# KiCad board GNSS_Firehose.kicad_pcb (continued)
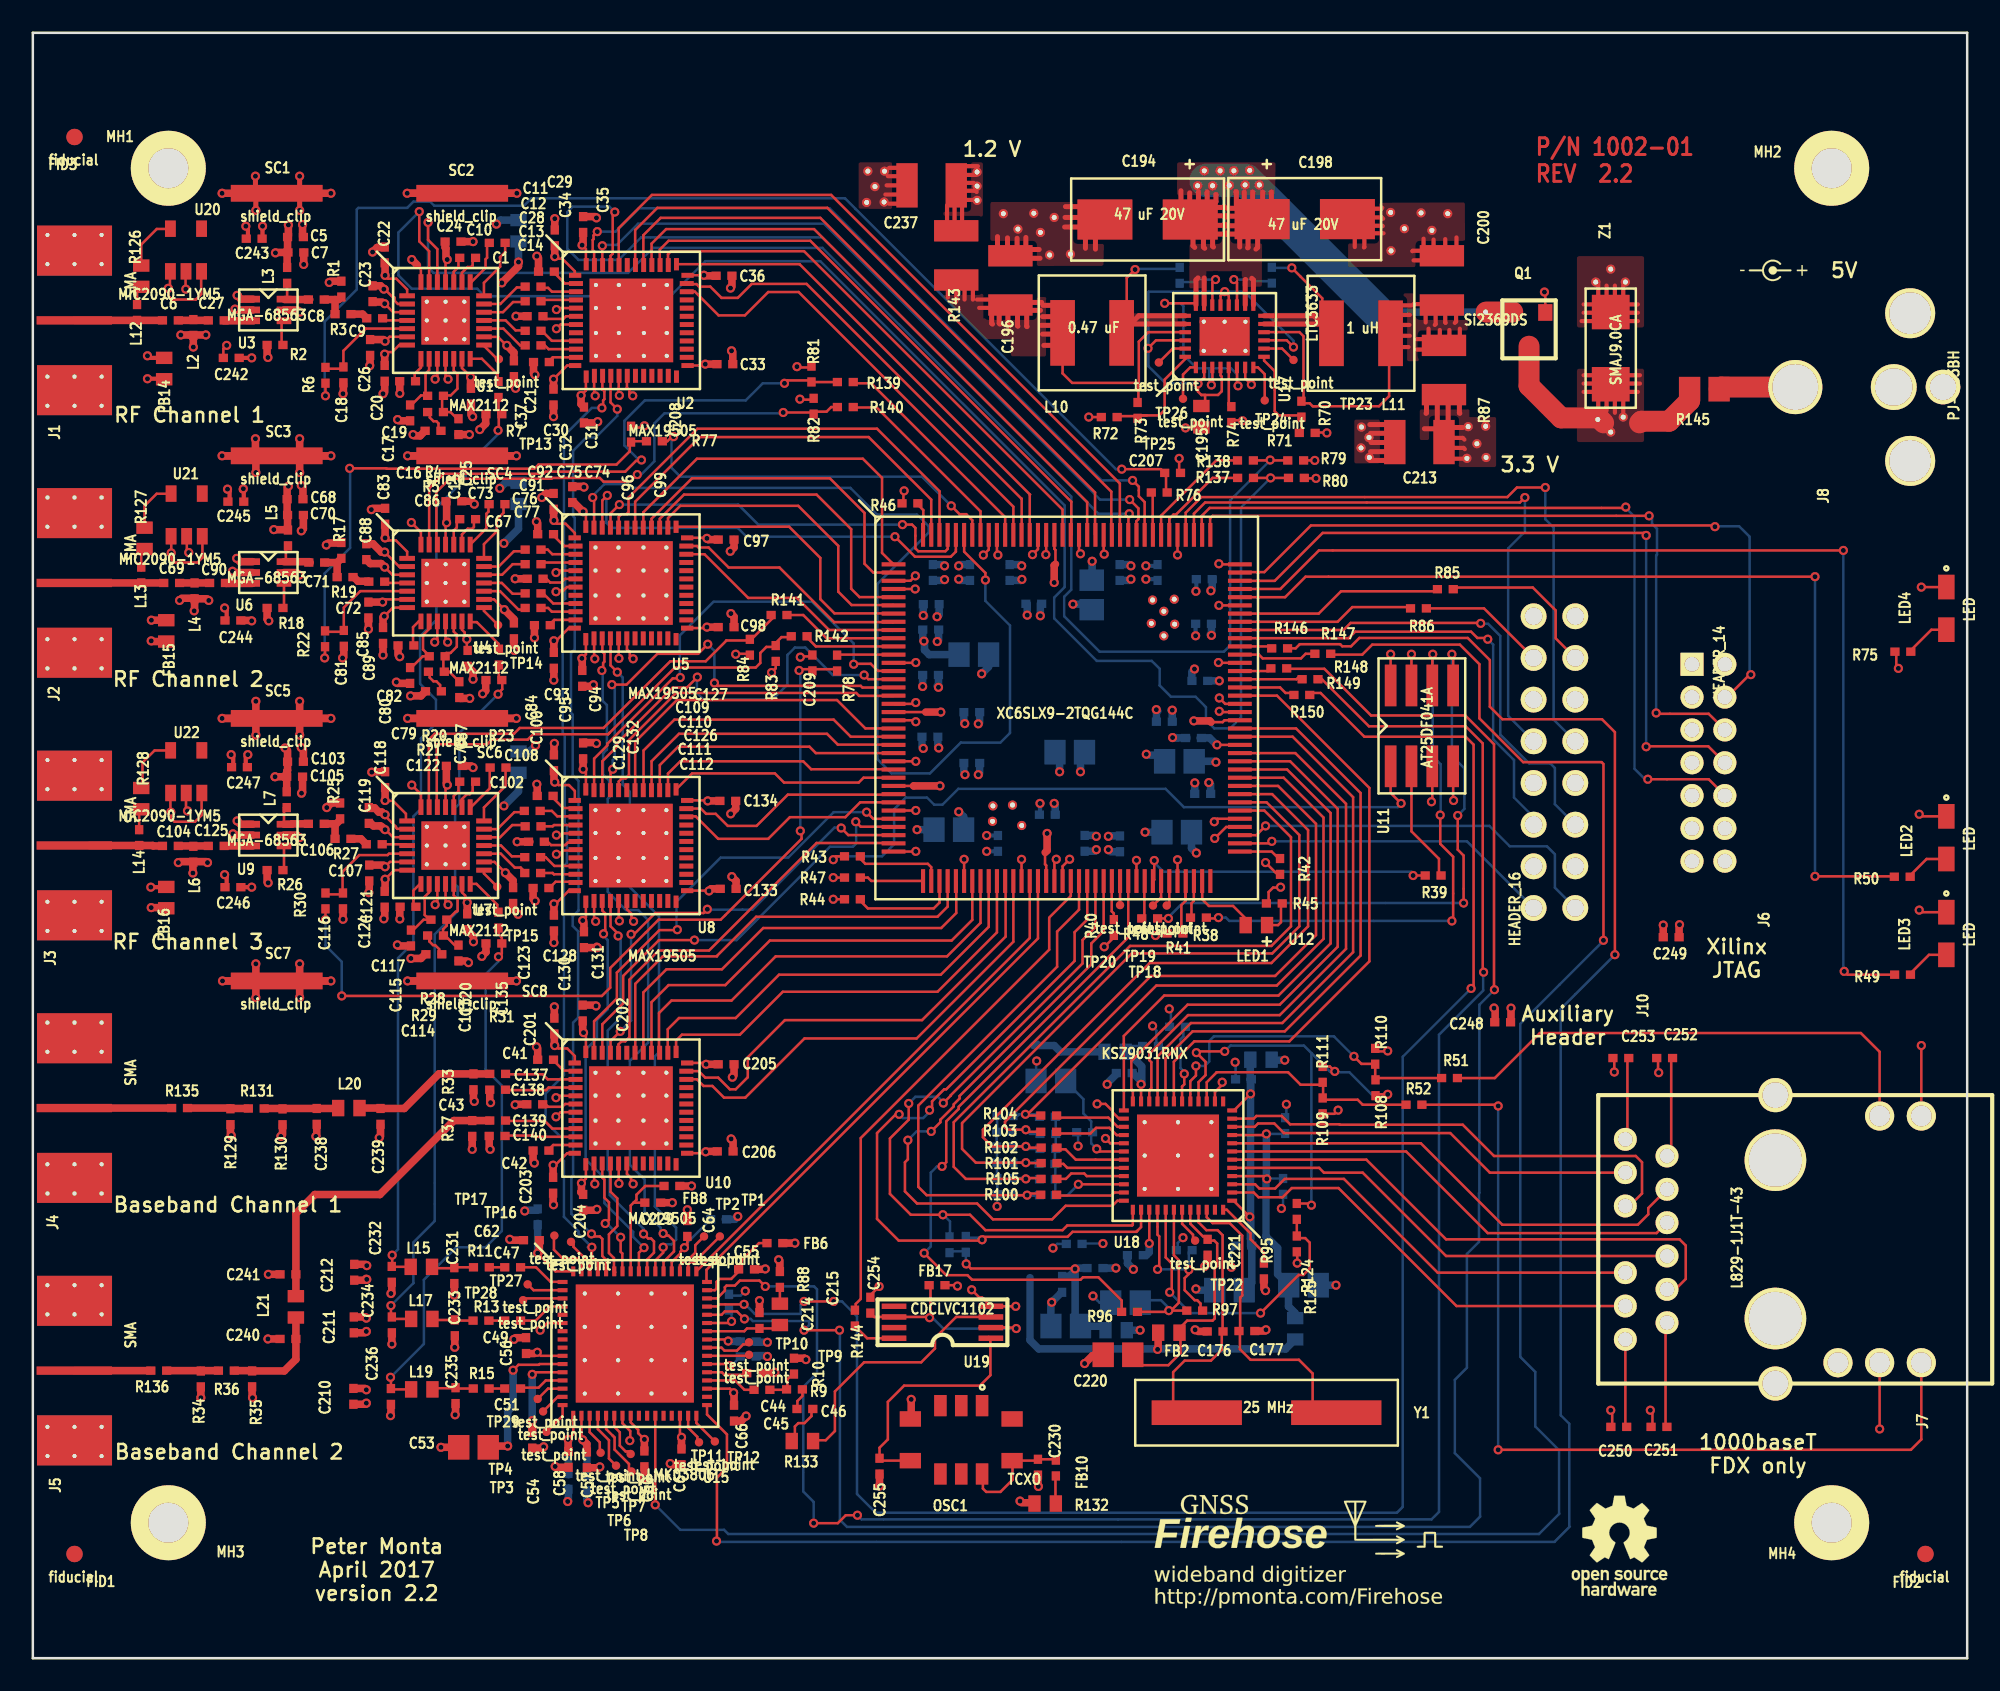
[diagram p0: board, top side]
## Routing (per net, layer and track width the routed paths; a pad name or vN(x,y) marks a point on that pad's centre or on a via; arc(x,y) is an arc through that point) (continued)
/Ethernet/DVDDH: length 63.5
  Top w0.152: v1(79.32,35.76) 79.03,36.06 R111.1 ; v1(56.87,24.03) 57.15,23.75 63.47,23.75 v1(63.5,23.72) ; R124.1 77.8,27.71 v1(77.9,27.61) ; v1(72.62,36.98) 70.97,36.98 v1(70.89,36.91) 71.45,36.35 71.45,35.53 71.02,35.11 U18.16 ; v1(63.7,28.88) 63.71,28.88 66.47,28.88 66.47,28.88 ; v1(68.53,23.7) 68.63,23.8 68.63,25.7 68.52,25.81 U18.40 ; v1(82.55,34.37) 81.81,34.37 ; 71.19,21.18 71.15,21.23 71.15,21.62 70.94,21.82 70.79,21.82 70.18,22.43 70.18,23.16 70.43,23.42 v1(70.43,23.67)
  Bottom w0.152: R112.1 R122.1 62.3,30.1 R114.1 62.27,30.99 R115.1 R116.1 62.33,32.97 R117.1 ; v1(77.9,27.61) 77.9,36.88 ; 77.9,36.88 77.44,37.34 72.97,37.34 v1(72.62,36.98) ; 77.9,36.88 79.02,35.76 v1(79.32,35.76) 79.38,35.71 80.21,35.71 81.56,34.37 v1(82.55,34.37) ; v1(56.87,24.03) 56.85,24.05 R107.1 ; v1(68.53,23.7) 70.41,23.7 v1(70.43,23.67) 70.43,24.75 70.55,24.87 ; v1(63.7,28.88) 63.02,28.19 62.15,28.19 ; 55.85,24.8 56.82,24.8
  Bottom w0.457: R99.2 65.11,20.23 63.84,20.23 ; C222.1 63.14,23.27 63.5,23.62 v1(63.5,23.72) ; v1(63.5,23.72) 63.5,20.57 C225.1 63.58,20.5 ; v1(63.5,23.72) 63.55,23.77 C224.1
/Ethernet/DVDDL: length 25.2
  Top w0.152: v1(72.47,35.1) 72.49,35.08 72.59,35.08 72.02,34.51 U18.14 ; 70.02,33.93 70.02,34.84 70.15,34.98 v1(70.15,35.61) ; 66.47,30.88 64.98,30.88 v1(64.82,31.04) ; 68.02,25.27 v1(68.02,25.28) U18.39 ; 67.56,35.13 67.52,35.09 v1(67.52,34.98) U18.23 ; 66.25,32.88 U18.26 66.18,32.88 65.79,33.27 65.79,33.35 65.35,33.78 v1(64.85,33.78) 64.72,33.78
  Bottom w0.152: v1(70.15,35.61) 70.15,35.74 69.93,35.97 69.93,37.72 70.1,37.9 70.1,38.44 70.14,38.48 ; 62.93,35.15 64.01,34.07 64.01,33.2 64.48,32.72 64.48,32.08 ; 63.85,25.25 63.87,25.27 v1(65.2,25.27) ; 64.48,32.05 64.48,31.38 v1(64.82,31.04) ; 66.55,36.96 66.9,37.31 67.65,37.31
  Bottom w0.457: C184.1 67.03,35.66 67.56,35.13 67.56,36.07 66.68,36.96 66.66,36.96 ; C182.1 67.84,24.56 68.02,24.74 68.02,25.27 v1(68.02,25.28)
GND: length 428
  Top w0.152: v1(23.09,53.21) 23.65,52.66 23.65,51.87 ; 58.38,21.44 v1(59.89,21.44) 59.89,21.44 ; v1(98.55,15.11) 98.68,14.99 98.68,14.1 ; 9.31,84.51 9.31,83.45 v1(9.32,83.44) ; v1(53.77,65.96) 53.47,65.66 U12.3 ; 23.65,67.87 23.65,68.63 v1(23.06,69.22) ; v1(31.9,81.03) 32.16,81.28 33.07,81.28 ; v1(24.51,77.95) 24.65,78.09 24.65,79.19 ; 34.2,62.16 34.2,60.95 v1(34.24,60.91) ; v1(31.9,50.17) 32.16,50.17 32.26,50.27 33.06,50.27 33.07,50.28 ; 21.41,50.5 v1(21.46,50.5) 21.49,50.5 21.95,50.04 22.8,50.04 22.81,50.03 ; v1(73.71,75.41) 73.68,75.44 73,75.44 ; 36.37,60.96 36.53,60.96 v1(36.58,60.91) ; 36.37,60.96 36.37,61.32 36.2,61.49 36.2,62.16 ; 36.37,60.96 36.42,60.91 ; v1(72.24,60.68) 72.26,60.66 U12.96 ; C254.2 51.03,22.12 v1(51.56,22.66) ; 31.75,55.68 31.78,55.7 v1(31.78,55.75) ; 69.85,73.13 v1(69.84,73.12) 69.84,72.24 ; 92.15,82.04 92.15,83.21 v1(92.1,83.26) ; 53.8,54.66 v1(53.8,54.66) U12.25 ; 34.2,78.16 34.2,77 v1(34.26,76.94) ; 22.3,75.41 v1(22.23,75.49) ; v1(99.06,35.69) 99.02,35.72 99.02,36.58 ; 20.68,54.03 v1(20.65,54) ; v1(61.26,10.46) 61.26,10.52 61.24,10.54 ; 20.5,46.69 v1(20.47,46.66) ; 18.95,61.04 v1(18.87,60.96) ; LED3.2 115.06,45.47 v1(114.94,45.59) ; U19.4 57.84,21.98 57.67,21.98 ; v1(35.71,28.93) 35.7,28.94 35.7,30.15 ; v1(34.29,44.91) 34.2,45 34.2,46.16 ; 33.07,34.28 31.99,34.28 v1(31.88,34.16) ; 29.41,33.76 v1(29.39,33.73) ; 30.48,30.25 v1(30.56,30.18) ; 23.65,83.87 23.65,84.69 v1(23.09,85.24) ; 75.06,19.94 v1(75.13,20.02) ; 15.21,31.9 v1(15.11,31.8) ; 33.07,82.28 31.99,82.28 v1(31.9,82.19) ; 20.27,23.04 20.29,23.04 v1(20.35,23.09) ; 26.8,86.33 26.82,86.31 ; v1(12.32,82.22) 12.34,82.22 12.4,82.17 ; v1(35.71,60.93) 35.7,60.95 35.7,62.16 ; 21.18,31.8 v1(21.11,31.72) ; 42.67,31.53 v1(42.55,31.65) ; v1(63.17,48.69) 62.74,48.26 U12.54 ; 22.25,61.14 v1(22.35,61.04) ; v1(53.8,60.68) 53.78,60.66 U12.13 ; 69.75,48.67 v1(69.74,48.66) U12.68 ; v1(25.3,45.92) 25.15,46.08 25.15,47.19 ; LED2.2 115.06,51.31 v1(114.94,51.44) ; U12.136 58.24,67.56 v1(57.91,67.23) ; v1(31.9,49) 32.08,49 32.31,49.23 33.02,49.23 33.07,49.28 ; v1(36.58,28.91) 36.45,29.03 36.45,29.26 36.2,29.51 36.2,30.15 ; 70.31,74.98 70.34,75.02 C195.2 ; 33.07,65.28 32.54,65.28 32.33,65.07 31.95,65.07 v1(31.88,65) ; 30.76,69.19 v1(30.68,69.27) ; v1(70.82,20.02) 70.89,20.02 70.99,19.91 ; 9.38,68.37 9.38,67.5 v1(9.5,67.39) ; 34.26,39.8 v1(34.32,39.75) ; v1(65.35,31.67) 65.65,31.38 U18.29 ; 29.31,61.44 v1(29.34,61.42) ; 60.25,48.69 v1(60.24,48.68) U12.49 ; 38.91,11.79 v1(38.84,11.86) ; 73.87,78.67 73.87,78 v1(74.24,77.62) ; 10.59,48.55 v1(10.64,48.49) ; v1(86.56,52.27) 86.54,52.3 U11.4 ; 29.11,25.48 v1(29.06,25.53) ; 42.56,67.53 v1(42.49,67.46) ; 33.07,33.28 32.16,33.28 v1(31.88,32.99) ; 34.29,55.8 v1(34.34,55.75) ; 26.85,33.99 v1(26.9,33.93) ; 26.44,42.49 v1(26.54,42.39) ; v1(36.55,76.94) 36.45,76.94 36.35,77.04 36.35,77.29 36.2,77.44 36.2,78.16 ; v1(31.88,66.17) 31.99,66.28 33.07,66.28 ; 36.45,75 37.15,75 v1(37.26,75.11) ; 22.81,82.03 21.95,82.03 v1(21.44,82.55) 21.39,82.55 21.29,82.65 ; 75.99,47.85 75.74,47.85 v1(75.11,48.49) ; v1(24.49,61.93) 24.65,62.09 24.65,63.19 ; 12.24,66.17 v1(12.17,66.24) ; 9.86,63.86 v1(9.83,63.83) ; v1(36.6,44.91) 36.47,45.03 36.47,45.36 36.2,45.64 36.2,46.16 ; 18.14,83.92 v1(18.06,83.85) ; 20.55,78.79 v1(20.52,78.77) ; 34.2,30.15 34.2,28.95 v1(34.24,28.91) ; U15.6 31.35,20.43 v1(30.91,19.99) ; 8.92,48.55 v1(8.86,48.49) ; 61.21,68.49 U12.130 61.24,67.59 v1(60.91,67.26) ; 26.7,75.77 v1(26.8,75.67) ; 26.72,54.38 v1(26.82,54.28) ; 65.86,44.11 65.86,43.92 65.38,43.44 65.36,43.44 v1(65.28,43.36) ; v1(82.55,37.01) 82.52,36.98 81.79,36.98 ; 27.84,33.91 v1(27.89,33.86) ; 29.41,19.53 v1(29.31,19.43) ; 9.07,64.6 v1(8.94,64.47) ; 27.81,31.07 v1(27.86,31.01) ; 89.1,39.55 v1(89.03,39.62) ; 16.1,50.17 v1(16.26,50.01) ; 16.13,82.17 v1(16.26,82.04) ; 34.26,87.86 v1(34.34,87.78) ; 29.18,78.31 29.36,78.13 ; v1(35.74,44.93) 35.7,44.97 35.7,46.16 ; 10.62,64.57 v1(10.72,64.47) ; 57.67,21.98 v1(57.2,22.45) ; R109.2 79.31,33.18 v1(79.53,33.4) 79.52,33.39 ; 78.05,74.7 78.71,74.7 ; 35.93,14.78 35.93,14.31 36.4,13.84 36.4,13.28 v1(36.37,13.26) ; U12.77 72.17,51.16 v1(71.98,50.98) ; 45.16,17.37 v1(45.21,17.42) ; 30.81,85.34 v1(30.71,85.45) ; 29.31,77.5 v1(29.41,77.39) ; 30.73,53.24 v1(30.71,53.26) ; 24.65,47.19 24.65,46.06 v1(24.51,45.92) ; 64.52,75.67 64.54,75.64 65.18,75.64 ; 31.7,27.66 v1(31.72,27.64) ; 53.04,70.38 53.04,71.1 v1(53.09,71.15) ; 75.01,22.5 v1(75.11,22.4) ; 34.34,75.29 v1(34.42,75.36) ; v1(21.44,66.5) 21.9,66.03 22.81,66.03 ; 16.08,66.17 v1(16.23,66.01) ; 12.27,50.17 v1(12.19,50.24) ; 42.6,83.59 v1(42.51,83.5) ; 96.39,35.69 v1(96.36,35.72) 96.36,36.58 ; v1(11.81,80.01) 11.61,79.81 C242.2 ; v1(46.76,61.01) 46.81,61.06 47.5,61.06 ; 13.36,15.9 v1(13.39,15.88) ; 42.72,35.51 v1(42.62,35.41) ; v1(25.3,77.95) 25.15,78.11 25.15,79.19 ; 21.44,77.17 v1(21.34,77.06) ; 33.53,71.42 v1(33.58,71.37) ; 77.04,24.79 v1(77.04,24.08) ; 45.52,24.21 v1(45.44,24.28) ; 96.23,14.1 96.23,15.02 v1(96.14,15.11) ; 69.75,67.23 v1(69.74,67.24) U12.113 ; 20.7,70.08 v1(20.62,70) ; v1(25.27,61.93) 25.15,62.05 25.15,63.19 ; 18,67.96 v1(17.88,67.84) ; 16.46,71.37 v1(16.36,71.48) ; 9.33,52.72 9.33,51.73 v1(9.42,51.64) ; 12.04,31.9 v1(12.09,31.85) ; v1(35.74,76.96) 35.7,77 35.7,78.16 ; 17.3,31.85 v1(17.25,31.8) ; 21.44,45.11 v1(21.39,45.06) ; 42.65,79.6 v1(42.57,79.68) ; U12.108 72.3,66.66 v1(72.26,66.7) ; 30.76,37.19 v1(30.68,37.26) ; U12.91 72.65,58.16 v1(72.29,58.52) ; 116.59,65.28 v1(115.06,65.28) ; 18.92,77.09 v1(18.9,77.06) ; 23.24,74.5 v1(23.16,74.57)
  Top w0.254: 95.38,82.76 95.38,83.91 ; v1(12.08,55.07) 12.21,54.94 12.21,54.31 ; v1(12.98,87.27) 13.11,87.15 13.11,86.51 ; 95.38,82 94.49,82 ; 11.99,70.49 11.99,71.12 v1(11.86,71.25) ; 86.06,86.49 86.06,85.75 86.08,85.73 ; 96.9,81.49 97.79,81.49 ; 96.9,82.76 96.9,83.65 ; 52.02,89.76 52.83,89.76 52.88,89.81 ; 82.27,87.73 82.19,87.81 81.51,87.81 ; 52.17,88.65 53.04,88.65 53.11,88.72 ; 95.88,82.76 95.88,83.65 ; 96.9,82 97.79,82 ; 81.58,88.34 82.17,88.34 82.22,88.39 ; 96.39,82.76 96.39,83.65 ; 84.05,85.75 84.07,85.78 84.91,85.78 ; 84.81,85.8 84.73,85.88 84.73,86.51 ; 51.94,89.2 52.98,89.2 53.04,89.26 ; 52.17,90.83 52.91,90.83 52.93,90.86 ; v1(11.68,47.75) 11.81,47.63 11.81,46.99 ; 81.1,85.98 81.13,86 81.13,86.66 ; 82.25,87.27 82.22,87.3 81.46,87.3 ; v1(11.68,64.01) 11.81,63.88 11.81,63.25 ; 84.86,85.19 84.12,85.19 ; 96.9,82.51 97.79,82.51 ; 52.1,90.32 52.93,90.32 ; 86.74,86.59 86.74,85.73 ; 95.38,81.49 94.36,81.49 ; 85.37,85.78 85.34,85.8 85.34,86.46 ; 80.54,86.66 80.54,86 ; 81.38,86.84 82.3,86.84 ; 95.38,82.51 94.49,82.51
  Top w0.305: SC1.1 13.56,89.28 v1(13.56,90.32) ; SC1.1 13.59,89.28 v1(13.59,88.24) ; SC1.1 16.26,89.28 ; SC1.1 16.26,89.28 ; 16.26,89.28 v1(16.26,88.24) ; 16.26,89.28 v1(16.26,90.32) ; 81.53,74.09 83.21,74.09 ; 64.74,85.88 64.74,86.59 ; 58.9,85.83 58.78,85.95 58.78,86.64 ; 61.32,85.85 60.58,85.85 60.55,85.83 ; 60.5,86.59 60.5,85.9 60.55,85.85 ; 62.87,87.22 63.8,87.22 ; 64.13,85.93 64.13,86.61 ; 59.92,85.78 59.97,85.83 59.97,86.54 ; 81.46,75.18 83.26,75.18 ; 81.51,74.65 83.24,74.65 ; 60.63,85.29 60.66,85.32 61.37,85.32 ; 59.39,86.56 59.39,85.83 59.31,85.75 ; 62.92,88.47 63.93,88.47 ; 81.51,73.53 83.16,73.53 ; 62.89,87.81 63.75,87.81 ; 81.46,73 83.31,73
  Top w0.457: SC3.1 13.56,73.28 v1(13.56,74.32) 13.59,74.3 ; SC3.1 13.59,73.28 v1(13.59,72.26) ; SC3.1 16.26,73.28 ; SC3.1 16.26,73.28 ; SC3.1 v1(18.16,73.28) 17.27,73.28 ; SC3.1 v1(11.53,73.28) 12.95,73.28 ; 16.26,73.28 v1(16.26,72.26) ; 16.26,73.28 v1(16.26,74.32) ; SC5.1 13.59,57.28 v1(13.59,58.32) ; SC5.1 13.59,57.3 v1(13.59,56.26) ; SC5.1 16.26,57.28 ; SC5.1 16.23,57.25 16.26,57.28 ; SC5.1 14.63,57.28 ; SC5.1 14.61,57.28 ; SC5.1 v1(11.53,57.28) 12.95,57.28 ; SC5.1 15.21,57.28 ; SC5.1 v1(18.16,57.28) 17.27,57.28 ; SC5.1 15.24,57.28 ; 16.26,57.28 v1(16.26,56.26) ; 16.26,57.28 v1(16.26,58.32) ; 16.26,41.28 SC7.1 ; 16.26,41.28 SC7.1 ; 16.26,41.28 v1(16.26,42.32) ; 16.26,41.28 v1(16.26,40.26) ; SC7.1 13.59,41.28 ; SC7.1 13.59,41.28 ; SC7.1 15.21,41.28 ; SC7.1 v1(18.16,41.28) 17.27,41.28 ; SC7.1 15.24,41.28 ; SC7.1 14.61,41.28 ; SC7.1 14.63,41.28 ; SC7.1 v1(11.56,41.28) 12.95,41.28 ; 13.59,41.28 v1(13.59,40.26) ; 13.59,41.28 v1(13.59,42.32) ; v1(34.37,27.36) 34.31,27.3 C204.2 ; C138.1 27.84,33.91 ; v1(44.63,23.72) 44.6,23.7 43.94,23.7 ; v1(23.04,42.65) 23.65,42.65 23.9,42.9 23.96,42.9 ; 26.85,86.31 v1(26.82,86.33) C24.2 ; 21.31,50.65 v1(21.46,50.5) ; 26.47,44.37 26.85,43.99 v1(26.85,43.66) ; C84.2 29.31,61.44 ; C233.2 25.71,18.96 v1(25.7,18.95) 25.7,18.97 ; 20.29,15.56 20.32,15.53 ; 20.32,15.53 20.34,15.51 ; 20.32,15.53 v1(20.32,15.54) 20.25,15.48 C210.2 ; 22.33,61.06 v1(22.35,61.04) ; C64.2 v1(39.88,27.33) ; R1.2 18.14,83.92 ; 18.19,89.28 SC1.1 v1(11.53,89.28) ; 25.98,58.55 26.03,58.5 v1(26.62,58.5) ; C134.2 42.82,51.77 v1(42.52,51.46) 42.56,51.5 ; C122.2 26.72,54.38 ; 27.59,59.61 27.59,58.96 v1(27.41,58.78) ; C234.2 v1(21.88,19.15) 21.89,19.13 ; 21.44,85.98 20.98,85.98 v1(20.7,85.7) ; C60.2 37.26,11 v1(37.24,10.97) ; C53.2 v1(24.87,12.85) 24.84,12.88 ; 20.29,23.15 v1(20.35,23.09) ; 9.8,80.65 L2.2 v1(9.78,79.91) ; v1(31.12,12.88) 31.04,12.8 C54.2 ; v1(10.54,80.65) 9.53,80.65 ; 23.24,74.5 23.6,74.5 C16.2 23.91,74.8 ; v1(16.36,68.71) 16.48,68.83 C70.2 ; C116.2 v1(18.9,45.03) ; v1(64.08,17.96) 64.57,18.44 65.15,18.44 ; C43.2 29.41,33.76 ; C29.2 30.81,85.34 ; C113.2 26.44,42.49 ; R129.2 12.04,31.9 ; C41.2 30.76,37.19 ; C66.2 43.15,14.45 v1(43.46,14.76) 43.45,14.76 ; 61.24,11.19 61.24,10.54 ; 99.31,44.7 v1(99.34,44.68) C249.2 ; v1(16.36,55.5) 16.48,55.37 C103.2 ; 22.38,77.06 v1(22.36,77.08) 22.36,77.83 ; 25.73,14.86 v1(25.73,14.83) 25.76,14.86 C235.2 ; 31.78,87.76 v1(31.8,87.73) C34.2 ; v1(16.43,87.38) 16.43,86.65 ; 34.36,43.39 34.42,43.33 v1(34.39,43.31) C131.2 ; C88.2 20.56,66.71 21.22,66.71 v1(21.44,66.5) ; C31.2 34.34,75.29 ; 22.38,45.03 v1(22.36,45.05) 22.36,45.8 ; C97.2 42.72,67.69 v1(42.49,67.46) ; C80.2 22.23,59.41 v1(22.15,59.49) ; 21.44,77.85 21.44,77.17 ; v1(20.32,20.73) 20.25,20.8 C211.2 ; 29.36,65.76 v1(29.39,65.79) C91.2 ; 34.57,11.66 v1(34.54,11.66) 34.49,11.61 C57.2 ; v1(29.57,45.34) 29.26,45.64 C123.2 ; v1(17.91,51.84) 18.19,52.12 R25.2 ; C61.2 38.91,11.79 ; v1(26.9,70.33) 26.72,70.51 C86.2 ; 21.84,22.25 v1(21.82,22.23) 21.87,22.28 C232.2 ; C119.2 20.6,50.88 20.75,50.72 21.18,50.72 21.41,50.5 ; C239.2 21.18,31.8 ; C28.2 v1(29.44,81.79) ; C105.2 16.43,52.78 v1(16.37,52.72) ; C128.2 30.48,46.28 v1(30.61,46.15) ; v1(27.23,74.88) 27.59,75.24 27.59,75.82 ; C17.2 22.3,75.41 ; C95.2 v1(31.74,59.61) 31.72,59.59 ; v1(27.36,42.77) 27.61,43.03 R31.2 ; C56.2 29.41,19.53 ; v1(22.21,43.47) 22.28,43.41 C115.2 ; C36.2 42.6,83.59 ; C212.2 20.27,23.04 20.33,23.1 ; 28.7,73.28 29.34,73.28 SC4.1 22.99,73.28 23.75,73.28 ; C236.2 21.82,14.81 v1(21.79,14.78) ; 20.63,70 v1(20.62,70) ; C176.2 70.99,19.91 ; v1(71.4,23.88) 71.58,24.05 C221.2 ; U3.5 16.13,82.17 ; C129.2 31.75,55.68 ; v1(9.75,47.85) 9.75,48.52 9.78,48.55 ; C58.2 31.88,11.63 ; R34.2 v1(10.24,15.88) ; C89.2 v1(21.34,61.14) ; 30.56,62.18 v1(30.56,62.19) C93.2 ; v1(53.52,15.77) 53.52,14.61 53.49,14.58 ; v1(9.02,80.65) 9.67,80.65 ; C30.2 30.51,78.31 v1(30.59,78.22) ; v1(42.59,47.63) 42.57,47.65 ; U9.5 16.1,50.17 ; 47.12,18.21 v1(47.1,18.2) 47.02,18.28 R10.2 ; U6.5 16.08,66.17 ; C44.1 45.16,17.37 ; U3.1 12.67,82.83 v1(12.45,83.06) 12.51,83.06 ; 42.56,79.67 v1(42.57,79.68) ; U6.2 12.24,66.17 ; C96.2 31.26,70.99 v1(31.01,70.74) ; v1(23.09,85.24) 23.43,84.9 ; L4.2 10.62,64.57 ; C177.2 75.06,19.94 ; 34.33,87.78 v1(34.34,87.78) ; C240.2 v1(14.33,19.46) ; 27.81,89.28 v1(29.49,89.28) SC2.1 v1(22.81,89.28) 24.38,89.28 ; 23.75,57.28 v1(22.83,57.28) SC6.1 v1(29.46,57.28) 28.58,57.28 ; C92.2 30.76,69.19 ; R35.2 13.36,15.9 ; C202.2 34.26,39.8 ; 23.75,41.28 v1(22.83,41.28) SC8.1 v1(29.46,41.28) 28.45,41.28 ; C85.2 v1(20.45,62.71) ; 31.72,43.59 v1(31.75,43.61) C130.2 ; 18.67,67.96 18,67.96 ; C82.2 22.25,61.14 ; C79.2 23.65,58.65 v1(23.01,58.65) 23.04,58.62 ; 25.91,74.57 v1(26.6,74.57) ; 26.7,76.38 26.7,75.77 ; R130.2 15.21,31.9 ; C238.2 17.3,31.85 ; 9.75,48.55 10.59,48.55 ; C21.2 29.31,77.5 ; 42.56,63.63 42.55,63.65 ; v1(34.16,59.33) 34.06,59.23 C94.2 ; C229.2 v1(38.96,27.76) ; 42.51,83.5 42.52,83.49 ; v1(13.59,88.24) 13.59,88.27 ; C127.2 30.73,53.24 ; C133.2 42.85,47.37 42.6,47.63 ; R88.2 45.52,24.21 ; U3.2 12.4,82.17 ; C81.2 18.95,61.04 ; C118.2 20.68,54.03 ; C62.2 29.11,25.48 ; C121.2 20.5,46.69 ; C26.2 20.55,78.79 ; 89.1,38.84 89.1,39.55 ; 34.41,75.37 v1(34.42,75.36) ; 22.21,75.5 22.2,75.49 ; v1(12.42,67.03) 12.62,66.83 U6.1 ; 34.31,55.72 v1(34.34,55.75) ; C231.2 v1(25.68,22.12) ; v1(51.59,10.49) 51.59,11.25 ; R33.2 26.85,33.99 ; U9.2 12.27,50.17 ; C83.2 20.7,70.08 ; C241.2 v1(14.35,23.39) ; v1(42.53,63.67) 42.72,63.47 C98.2 ; 21.29,82.65 20.73,82.65 ; C35.2 34.26,87.86 ; 32.87,71.42 33.53,71.42 ; 16.5,85.67 v1(16.5,84.94) 16.51,84.94 ; C32.2 v1(31.72,75.67) ; 30.28,49.76 v1(29.51,49.76) ; C201.2 v1(31.78,39.7) ; 30.56,30.18 v1(30.56,30.18) ; C33.2 42.65,79.6 ; v1(26.82,59.66) 26.82,60.12 C87.2 ; 29.33,19.45 v1(29.31,19.43) ; U9.1 12.65,50.83 v1(12.45,51.03) ; 20.57,78.82 v1(20.52,78.77) ; R95.2 75.01,22.5 ; C205.2 42.72,35.51 ; C124.2 21.44,45.11 ; C42.2 30.48,30.25 ; 9.86,63.86 9.86,64.6 9.07,64.6 ; C18.2 18.92,77.09 ; C206.2 42.67,31.53 ; C140.1 27.81,31.07 ; 33.53,55.8 34.29,55.8 ; C214.2 v1(44.27,21.79) ; C68.2 16.46,71.37 ; C203.2 31.7,27.66 ; 9.71,48.55 8.92,48.55 ; R37.2 v1(26.77,31.01) ; 16.4,71.43 v1(16.36,71.48)
  Bottom w0.152: v1(70.87,22.5) 70.92,22.5 70.99,22.43 ; 55.5,65.68 v1(55.55,65.74) ; 64.85,21.82 v1(64.59,22.07) 65,21.67 C216.2 ; R121.2 58.75,32.11 R120.2 R119.2 58.74,31.17 R118.2 R123.2 58.77,29.24 R113.2 58.75,28.25 v1(58.75,27.53) ; v1(70.08,25.63) 69.75,25.31 69.75,24.87 ; v1(73.25,36.32) 73.28,36.3 C227.2 ; v1(44.75,18.39) 44.68,18.39 44.63,18.44 ; v1(76.38,33.76) 76.38,32.97 76.23,32.82 ; 70.88,53.35 70.8,53.35 v1(70.8,53.35) ; 70.89,65.05 v1(70.87,65.02) ; 69.34,38.48 69.34,39.47 v1(69.24,39.57) ; 63.7,31.19 v1(63.68,31.21) 63.68,32.05 ; 56.72,53.92 v1(56.79,53.85) ; v1(68.22,38.53) 68.28,38.48 68.28,38.43 68.45,38.25 68.45,37.31 ; 67.89,55.04 v1(67.84,55.09) ; 69.67,56.11 v1(69.44,56.11) ; 68.46,57.74 68.46,57.8 v1(68.45,57.81) ; v1(61.16,36.4) 61.13,36.36 C193.2 ; v1(43.41,22.38) 43.13,22.1 42.42,22.1 ; 55.14,55.53 v1(55.19,55.47) ; v1(73.03,23.83) 72.97,23.88 72.97,24.77 73.36,25.15 73.39,25.15 ; v1(62.15,24.99) 62.41,25.25 63.05,25.25 ; 65.56,50.11 v1(65.53,50.09) ; 70.62,60.13 v1(70.78,60.29) ; 64.74,50.15 v1(64.8,50.09) ; v1(76.07,27.41) 76.17,27.51 C219.2 ; 55.19,62.05 v1(55.11,61.96) ; 56.49,65.68 v1(56.41,65.76) ; 66.83,65.68 v1(66.9,65.76)
  Bottom w0.254: C163.2 68.45,65.76 v1(67.82,65.76) ; v1(61.37,52.1) 61.37,51.45 C144.2 ; C165.2 v1(70.85,62.31) ; C164.2 70.89,65.05 70.85,65.01 ; v1(58.12,50.14) C155.2
  Bottom w0.457: 68.49,57.77 68.46,57.74 C141.2 ; C153.2 65.56,50.11 ; 69.67,56.11 69.7,56.08 70.32,56.08 ; C222.2 62.69,22.3 v1(62.08,21.69) 62.03,21.64 C225.2 ; v1(56.41,51.59) 56.71,51.29 C158.2 ; v1(63.37,64.24) 64.18,64.24 C148.2 ; v1(67.06,23.7) 66.69,24.06 C182.2 ; v1(70.85,62.31) 70.84,62.31 ; 68.93,55.04 67.89,55.04 ; C226.2 70.99,22.43 ; v1(56.78,56.96) 56.72,57.02 C146.2 ; 55.11,61.96 55.12,61.95 ; C161.2 66.83,65.68 ; v1(55.09,63.47) 55.22,63.6 C147.2 ; C168.2 v1(70.8,53.35) ; C150.2 55.5,65.68 ; C160.2 55.14,55.53 ; C167.2 70.62,60.13 ; 66.9,65.77 v1(66.9,65.76) ; v1(57.81,59.99) 58.23,60.42 C162.2 ; C151.2 60.2,65.68 v1(60.26,65.75) ; C152.2 56.49,65.68 ; v1(62.56,54.03) 62.56,54.94 C142.2 ; 60.59,64.26 v1(60.59,63.57) 60.6,63.55 ; C145.2 56.72,53.92 ; C156.2 64.74,50.15 ; C217.2 v1(79.4,22.73) ; C154.2 v1(67.77,50.34) ; C157.2 v1(55.18,59.17) 55.19,59.16 55.1,59.25 ; C159.2 55.19,62.05 ; 66.04,35.61 65.46,35.03 v1(65.46,34.98) ; C224.2 v1(65.99,23.77) ; 56.81,53.86 v1(56.79,53.85) ; 43.99,19.25 v1(44.75,19.25) ; 70.83,60.24 70.76,60.3 ; 43.99,18.44 44.63,18.44 ; 68.54,57.72 v1(68.45,57.81)
  vias: v1(18.16,89.28) v1(22.83,73.28) v1(29.46,73.28) v1(31.83,11.68) v1(64.34,75.64) v1(70.23,74.98) v1(78.84,74.68)
VCC_1.2V: length 59.6
  Top w0.152: 55.27,57.66 v1(55.32,57.66) ; 55.27,57.66 55.27,57.66 ; 55.27,57.66 U12.19 ; U12.28 55.27,53.16 v1(55.27,53.16) ; v1(62.23,65.56) 62.23,66.42 62.31,66.5 62.31,67.54 62.24,67.6 U12.128 ; 70.71,57.15 v1(70.74,57.12) 71.65,57.12 71.73,57.05 72.49,57.05 72.61,57.16 U12.89 ; U12.52 61.74,48.32 61.67,48.39 61.67,49.1 61.82,49.25 61.82,50.24 v1(61.8,50.27)
  Top w0.254: 55.7,88.54 55.7,87.35 ; 56.57,87.4 56.62,87.45 56.62,88.54 ; 57.45,88.9 57.43,88.87 56.67,88.87 ; 56.62,89.43 57.43,89.43 57.51,89.36 ; 56.16,88.57 56.16,87.43 ; 56.52,90.93 57.58,90.93 ; 56.62,90.4 57.45,90.4 ; 56.57,89.92 57.33,89.92
  Top w0.457: 53.67,53.16 53.67,53.16 v1(55.27,53.16) ; FB2.1 68.56,18.86 v1(68.53,18.82) ; 62.31,66.68 62.23,66.6 v1(62.23,65.56) ; v1(61.8,50.27) 61.8,49.23 61.68,49.11 ; v1(55.32,57.66) 54.41,57.66 ; v1(70.74,57.12) 71.7,57.12 71.78,57.05
  Bottom w0.152: 69.34,57.79 69.42,57.79 v1(69.42,57.78) ; 57.69,57.03 v1(57.61,56.95) ; 57.69,53.93 v1(57.61,53.85) ; 62.29,52.03 v1(62.23,52.1)
  Bottom w0.457: C145.1 57.69,53.93 ; 69.38,57.82 v1(69.42,57.78) C141.1 ; 61.19,37.41 61.16,37.44 ; 69.34,57.79 69.37,57.81 ; v1(63.83,54.03) 63.83,54.97 C142.1 ; C146.1 57.69,57.03 ; FB1.1 76.33,18.85 68.55,18.85 v1(68.53,18.82) 68.5,18.85 61.29,18.85 60.76,19.38 60.76,23.19 ; 61.39,63.53 v1(61.39,63.53) 61.39,64.26 ; R98.1 62.61,36.96 62.23,37.34 60.96,37.34 ; C144.1 62.29,52.03 ; 62.21,52.08 v1(62.23,52.1)
VCC_3.3V: length 163
  Top w0.152: 69.18,44.04 v1(68.4,44.04) ; v1(46.56,78.71) 46.61,78.66 47.44,78.66 ; U11.7 v1(84,61.19) ; v1(33.53,69.88) 33.7,69.71 33.7,68.96 ; v1(53.8,58.24) 53.72,58.16 U12.18 ; 33.02,84.28 33.02,84.53 32.26,85.29 31.93,85.29 v1(31.8,85.42) ; 39.87,36.28 40.94,36.28 v1(41.02,36.2) ; 31.83,38.2 31.75,38.28 ; v1(76.02,46.99) 76,46.96 75.56,46.96 75.29,46.69 75.29,46 ; v1(53.8,51.66) 53.79,51.66 U12.31 ; 30.56,18.57 30.63,18.64 v1(30.73,18.64) 30.95,18.43 U15.10 ; 33.7,52.96 33.7,54.01 v1(33.53,54.18) ; 60.25,9.47 v1(60.15,9.58) ; U12.42 v1(56.74,48.69) 56.74,48.69 ; 45.26,60.83 45.26,60.33 v1(45.01,60.07) ; v1(61.72,67.26) 61.74,67.28 U12.129 ; v1(33.46,86.12) 33.7,85.89 33.7,84.96 ; 31.75,53.49 31.8,53.44 ; 31.8,53.44 32.03,53.21 32.66,53.21 33.02,52.85 33.02,52.28 ; 31.8,53.44 v1(31.8,53.39) ; U12.63 v1(67.24,48.63) 67.26,48.64 ; v1(42.82,61.19) 42.85,61.21 43.69,61.21 ; v1(42.37,19.33) 42.27,19.43 U15.41 ; v1(65.28,67.28) 65.24,67.32 U12.122 ; v1(41.07,62.84) 41.06,62.83 41.06,62.78 ; v1(53.8,49.17) 53.78,49.16 U12.36 ; 33.02,46.78 32.66,46.78 31.75,45.87 v1(31.75,45.97) ; 33.02,30.78 32.56,30.78 31.83,30.05 v1(31.7,30.05) ; 55.49,22.73 56.29,22.73 v1(56.34,22.68) ; 30.05,18.64 30.05,18.65 ; 41.86,17.93 42.37,17.93 v1(42.47,17.83) ; 49.54,47.57 v1(48.77,47.57) ; 63.74,68.16 63.75,68.15 ; v1(63.83,67.31) 63.74,67.4 U12.125 ; U12.76 72.71,50.66 v1(72.01,49.96) ; 77.32,73 v1(78.1,73) ; 7.25,61.96 v1(7.21,62) ; 39.87,68.28 41.06,68.28 ; 41.06,68.28 41.06,68.26 v1(41.07,68.25) ; 41.06,68.28 41.1,68.25 ; v1(53.8,57.07) 53.71,57.16 U12.20 ; v1(58.8,67.23) 58.74,67.29 U12.135 ; 33.02,68.28 33.02,68.58 32.46,69.14 31.93,69.14 31.75,69.32 ; U11.3 85.27,52.25 v1(85.22,52.2) ; v1(62.36,48.69) 62.24,48.58 U12.53 ; 33.02,36.28 33.02,36.7 32.56,37.16 32.03,37.16 31.78,37.41 ; 40.92,84.25 v1(40.89,84.28) 39.87,84.28 ; U15.35 42.48,16.43 42.7,16.21 v1(42.7,16.18) ; U11.8 v1(82.73,61.19) ; 39.87,62.78 41.06,62.78 ; 41.06,62.78 41.12,62.84 ; 58.74,68.11 58.75,68.1 ; 39.87,78.78 40.89,78.78 v1(40.97,78.87) ; 39.87,46.78 41.13,46.78 ; 41.13,46.78 41.15,46.76 ; 41.13,46.78 41.18,46.78 v1(41.2,46.76) ; v1(41,30.86) 40.91,30.78 39.87,30.78 ; v1(33.4,76.96) 33.7,77.26 33.7,78.11 ; U15.38 41.85,17.93 41.86,17.93 ; 20.27,24 v1(20.35,23.93) ; v1(78.18,71.91) 77.34,71.91 ; 49.54,46.25 v1(48.77,46.25) ; v1(42.57,20.52) 42.47,20.43 U15.43 ; 65.24,68.13 65.25,68.12 ; U15.30 39.43,13.56 v1(39.52,13.46) ; 113.54,61.34 113.54,60.45 v1(113.66,60.33) ; U12.103 v1(72.27,64.16) 72.26,64.16 ; U12.86 v1(72.15,55.66) 72.14,55.65 ; 33.02,78.78 32.56,78.78 v1(31.72,77.95) ; U12.4 v1(53.76,65.16) 53.77,65.15 ; 20.24,19.83 v1(20.32,19.91) ; v1(46.74,76.73) 46.77,76.7 47.57,76.7 ; 100.3,44.68 v1(100.33,44.7) ; 33.58,44.83 33.5,44.91 v1(33.5,44.96) 33.7,45.15 33.7,46.1 ; v1(33.55,38.13) 33.7,37.98 33.7,36.95 ; 39.87,52.28 41.09,52.28 v1(41.12,52.25) ; v1(37.26,13.34) 36.88,13.72 36.88,13.92 36.43,14.37 36.43,14.78 ; 33.7,62.11 33.7,61.18 v1(33.45,60.93) ; 31.73,69.36 v1(31.75,69.34) ; v1(31.74,62.01) 31.88,62.01 32.66,62.78 33.02,62.78 32.68,62.78 ; v1(112.52,13.97) J7.16 ; 20.24,16.44 v1(20.32,16.36) ; v1(115.06,37.34) J7.14 ; v1(72.29,57.71) 72.34,57.66 U12.90 ; 61.74,68.13 61.75,68.12 ; v1(33.43,28.96) 33.7,29.23 33.7,30.1
  Top w0.254: v1(6.98,77.98) 8,77.98 ; 86.33,74.37 87.12,74.37 87.22,74.27 ; 86.33,73.1 87.2,73.1 ; 86.33,73.76 87.17,73.76 87.25,73.69
  Top w0.305: 86.92,76.66 86.92,75.9 86.94,75.87 ; 87.12,75.01 86.44,75.01 ; 84.79,74.93 85.7,74.93 ; 85.57,76.63 85.57,75.18 85.6,75.16 ; 86.23,76.61 86.23,75.21 ; 84.89,75.87 84.91,75.9 84.91,76.56
  Top w0.457: C133.1 41.33,46.89 v1(41.2,46.76) ; FB6.1 v1(46.43,25.3) ; 31.76,37.43 31.8,37.39 v1(31.8,37.34) 31.78,37.36 C201.1 ; 41.14,52.24 v1(41.12,52.25) C134.1 ; C210.1 20.24,16.44 ; C35.1 33.53,86.18 v1(33.46,86.12) ; C131.1 33.58,44.83 ; v1(41,30.86) 41.02,30.89 C206.1 ; C56.1 30.56,18.57 ; C60.1 v1(37.26,13.34) ; v1(39.52,13.46) C61.1 ; FB8.1 v1(40.13,28.78) ; C94.1 33.48,60.91 ; FB16.1 8.09,45.75 v1(7.21,45.75) ; v1(33.55,38.13) 33.5,38.18 C202.1 ; C211.1 20.24,19.83 ; C97.1 41.15,68.17 v1(41.07,68.25) ; v1(33.53,69.88) 32.97,70.43 C99.1 ; v1(33.43,28.96) 33.43,28.44 33.39,28.4 C204.1 ; C130.1 v1(31.75,45.97) ; 33.53,54.84 v1(33.53,54.18) ; 31.72,77.34 v1(31.72,77.95) ; C66.1 42.72,16.15 ; C98.1 v1(41.07,62.84) ; 31.73,69.34 31.75,69.32 ; FB15.1 7.25,61.96 ; C95.1 v1(31.74,62.01) ; C129.1 31.75,53.49 ; C205.1 v1(41.02,36.2) ; C96.1 31.73,69.36 ; 61.01,9.47 60.25,9.47 ; C31.1 33.4,76.43 v1(33.4,76.96) ; C249.1 100.3,44.68 ; 90.06,38.84 v1(90.06,39.62) ; C33.1 v1(40.97,78.87) ; C212.1 20.27,24 ; C34.1 v1(31.8,85.42) ; C36.1 40.92,84.25 ; v1(31.7,30.05) 31.7,29.31
  Bottom w0.152: 64.7,49.18 v1(64.8,49.28) ; v1(42.47,17.83) 42.57,17.83 43.18,18.44 ; 56.49,66.65 v1(56.41,66.57) ; 60.17,66.65 v1(60.25,66.57) ; v1(42.57,20.52) 42.57,21.15 42.42,21.3 ; 54.17,55.53 v1(54.25,55.45) ; 65.66,49.15 v1(65.53,49.28) ; 54.34,63.51 54.3,63.51 v1(54.25,63.55) ; 54.3,59.17 54.26,59.17 v1(54.21,59.22) ; 42.8,26.75 42.95,26.9 v1(42.95,26.92) ; 66.83,66.65 v1(66.9,66.57) ; 71.76,53.26 v1(71.65,53.37) ; 30.02,27.3 v1(29.97,27.25) ; 72.03,54.66 v1(72.09,54.61) ; 55.47,66.65 v1(55.55,66.57) ; 43.16,19.28 43.19,19.25
  Bottom w0.254: C163.1 68.45,66.57 v1(67.82,66.57) ; v1(58.12,49.17) C155.1
  Bottom w0.457: C161.1 66.83,66.65 ; v1(28.45,71.3) 28.79,71.64 FB12.1 ; 33.76,9.58 33.83,9.5 v1(33.83,9.47) 33.76,9.54 33.76,10.29 ; C158.1 v1(53.87,50.5) ; v1(76.28,36.45) 75.5,36.45 FB3.1 ; C156.1 64.7,49.18 ; v1(28.24,87.4) 28.49,87.65 FB11.1 ; C165.1 v1(71.81,62.34) 71.79,62.32 ; 42.18,26.75 42.8,26.75 ; v1(30.63,55.63) 30.27,55.26 FB13.1 ; C154.1 70.6,49.37 v1(70.89,49.07) ; 30.76,27.3 30.02,27.3 ; C164.1 71.86,65.14 v1(71.77,65.06) 71.81,65.02 ; C153.1 65.66,49.15 ; C148.1 64.54,65.73 v1(64.54,66.85) ; R99.1 v1(67.46,19.99) 67.49,19.96 ; C157.1 v1(54.21,59.22) ; 54.31,63.5 v1(54.25,63.55) C147.1 ; C150.1 55.47,66.65 ; C152.1 56.49,66.65 ; C151.1 60.17,66.65 ; 54.34,63.51 54.33,63.5 ; C63.1 42.39,19.3 v1(42.37,19.33) ; C159.1 54.22,62.06 v1(54.29,61.99) 54.33,61.95 54.33,61.44 54.61,61.16 C162.1 ; C167.1 v1(72.29,59.56) ; 32.59,9.7 v1(32.59,9.55) 32.63,9.59 32.63,10.38 ; 71.12,56.08 71.7,56.08 72.14,55.65 ; C168.1 71.76,53.26 ; C166.1 72.03,54.66 ; 71.73,62.38 71.81,62.31 ; C160.1 54.17,55.53